# EAGLE board RedBoard-GiantPanel-v21 (EAGLE 6.5.0), part 2 of 4 (continued)
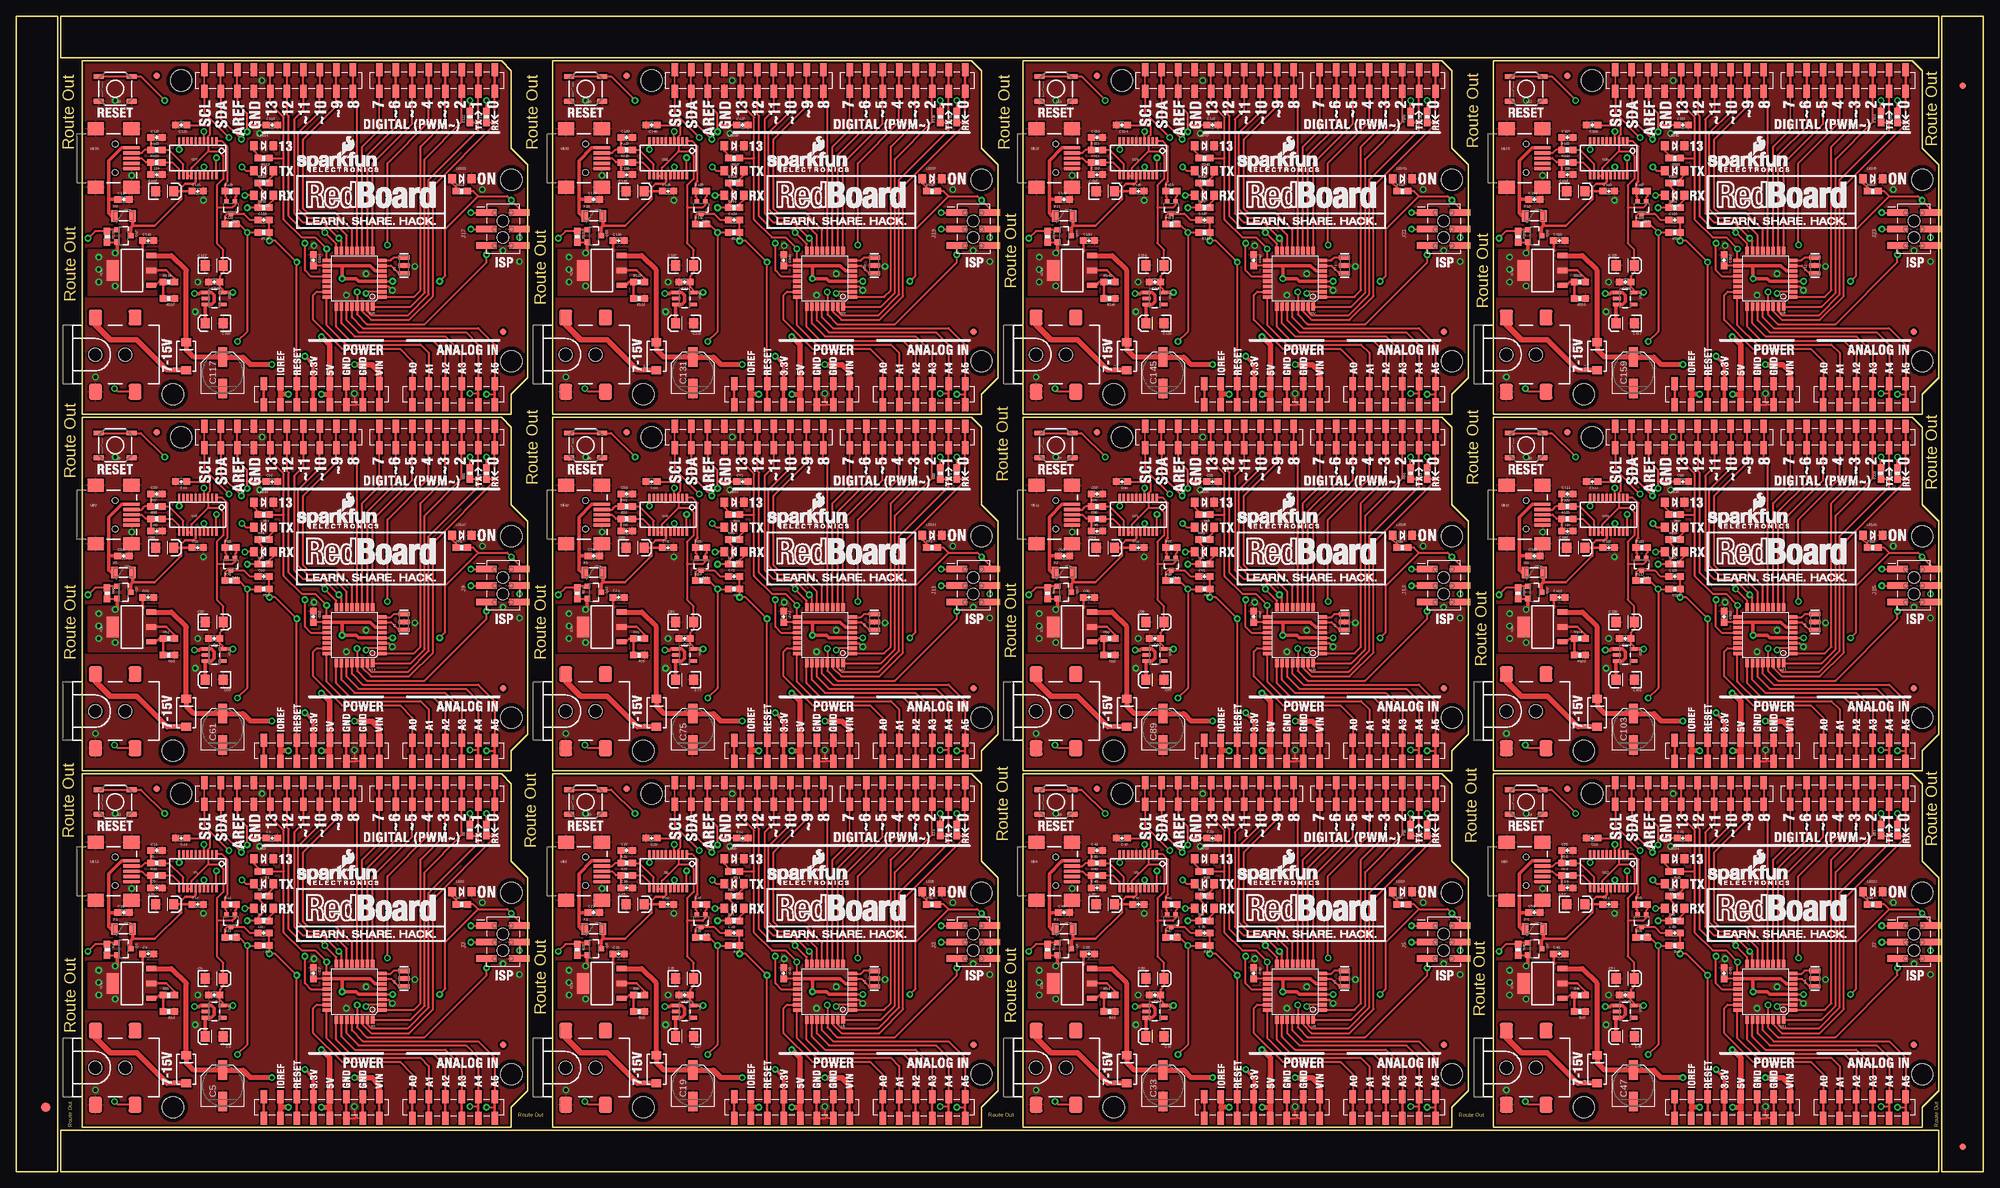
[diagram p0: board, top side]
## Tracks (layer width: path | path; a pad name or v marks a point on that pad's centre or on a via) (continued)
3.3V9  (via drill 0.51)
  Top 0.305: U28.5 104.17,135.73 103.72,136.18 C132.1 103.72,137.76 104.27,138.31 C137.A 104.27,141.86 103.25,142.88 103.25,148.34 | R139.2 106.26,150.07 106.06,149.88 Q20.1 106.06,148.73 105.66,148.34 103.25,148.34 | 101.92,157.04 U30.3 101.92,159.32 102.23,159.64 102.23,160.78 101.98,161.04 C140.1 | U30.13 U30.14 99.38,154.5 101.92,157.04 | 101.92,157.04 103.57,157.04 104.27,156.33 104.27,152.78 103.25,151.76 103.25,148.34
  Top 0.508: JP98.5 118.11,124.21 v116.84,125.48 | U28.5 v105.72,135.32
  Bottom 0.508: v116.84,125.48 108.08,134.24 108.07,134.24 107,135.32 v105.72,135.32
3.3V10  (via drill 0.51)
  Top 0.305: U31.5 176.56,135.73 176.11,136.18 C146.1 176.11,137.76 176.66,138.31 C151.A 176.66,141.86 175.64,142.88 175.64,148.34 | R153.2 178.65,150.07 178.45,149.88 Q22.1 178.45,148.73 178.05,148.34 175.64,148.34 | 174.31,157.04 U33.3 174.31,159.32 174.62,159.64 174.62,160.78 174.37,161.04 C154.1 | U33.13 U33.14 171.77,154.5 174.31,157.04 | 174.31,157.04 175.96,157.04 176.66,156.33 176.66,152.78 175.64,151.76 175.64,148.34
  Top 0.508: JP108.5 190.5,124.21 v189.23,125.48 | U31.5 v178.12,135.32
  Bottom 0.508: v189.23,125.48 180.47,134.24 180.46,134.24 179.38,135.32 v178.12,135.32
3.3V11  (via drill 0.51)
  Top 0.305: U34.5 248.95,135.73 248.5,136.18 C160.1 248.5,137.76 249.05,138.31 C165.A 249.05,141.86 248.03,142.88 248.03,148.34 | R167.2 251.04,150.07 250.84,149.88 Q24.1 250.84,148.73 250.44,148.34 248.03,148.34 | 246.7,157.04 U36.3 246.7,159.32 247.01,159.64 247.01,160.78 246.76,161.04 C168.1 | U36.13 U36.14 244.16,154.5 246.7,157.04 | 246.7,157.04 248.35,157.04 249.05,156.33 249.05,152.78 248.03,151.76 248.03,148.34
  Top 0.508: JP118.5 262.89,124.21 v261.62,125.48 | U34.5 v250.5,135.32
  Bottom 0.508: v261.62,125.48 252.86,134.24 252.85,134.24 251.78,135.32 v250.5,135.32
5V  (via drill 0.51)
  Top 0.305: U3.18 C2.2 | U3.4 v57.93,27.29 | 71.12,40.39 75.56,40.39 v76.2,39.75 77.47,38.48 J2.2 | JP10.4 48.26,9.4 | 71.12,40.39 66.04,35.31 66.04,28.16 v65.17,27.29 | 71.12,40.39 70.36,41.15 R2.2 | v35.56,34.8 35.56,19.56 v34.04,18.03 | v35.56,38.61 R6.1 37.25,39.16 38.1,40.01 38.1,41.15 37.25,42 R7.1 | v35.56,34.8 R3.2 | R4.2 15.48,33.31 Q1.2 | R12.2 34.29,36.07 v35.56,34.8
  Top 0.356: C4.1 19.47,31.92
  Top 0.406: IC3.2 23.11,28.96 24.34,27.73 R15.2 | C3.A 29.21,20.83
  Top 0.508: U3.6 55.24,28.89 54.45,29.69 50.16,29.69 | 50.16,29.69 U3.18 | 50.16,29.69 v50.16,27.69 52.32,27.69 52.72,27.29 U3.4 | C3.A 29.08,23.59 U2.3 30.04,23.69 30.48,24.13 30.48,25.15 30.04,25.59 U2.1 28.38,25.59 28.19,25.4 v27.43,25.4 | Q1.2 15.51,31.91 v15.24,31.64
  Top 0.762: v46.96,18.77 46.96,18.83 48.26,17.53 | v46.99,9.91 48.01,9.91 48.26,10.16 | v41.91,9.91 40.64,9.91 | 40.64,9.91 JP10.7 | 40.64,11.56 40.64,9.91
  Top 0.813: 48.26,17.53 JP10.4 48.26,10.16 48.26,9.4 48.26,8.26
  Bottom 0.305: v57.93,27.29 v65.17,27.29 | v35.56,34.8 v35.56,38.61 | TP1.P$1 v76.2,39.75
  Bottom 0.508: v46.96,18.77 46.96,24.48 v50.16,27.69
  Bottom 0.762: v46.99,9.91 v41.91,9.91 41.91,10.16 v34.04,18.03 27.43,24.64 v27.43,25.4 | v27.43,25.4 21.84,25.4 | 26.67,25.4 v27.43,25.4
  other vias: 12.7,29.09 15.24,26.55 12.7,27.19 12.7,31
  pour Bottom (isolate 0.305, no thermals): 11.05,37.34 20.95,37.34 20.95,27.69 22.86,25.78 22.86,25.15 11.05,25.15
  pour Top (isolate 0.305, no thermals): 11.05,25.15 11.05,32.13 21.59,32.13 21.59,25.15
5V1  (via drill 0.51)
  Top 0.305: U5.18 C16.2 | U5.4 v130.32,27.29 | 143.51,40.39 147.96,40.39 v148.59,39.75 149.86,38.48 J3.2 | JP18.4 120.65,9.4 | 143.51,40.39 138.43,35.31 138.43,28.16 v137.56,27.29 | 143.51,40.39 142.75,41.15 R16.2 | v107.95,34.8 107.95,19.56 v106.43,18.03 | v107.95,38.61 R21.1 109.64,39.16 110.49,40.01 110.49,41.15 109.64,42 R22.1 | v107.95,34.8 R17.2 | R18.2 87.87,33.31 Q3.2 | R28.2 106.68,36.07 v107.95,34.8
  Top 0.356: C18.1 91.86,31.92
  Top 0.406: IC1.2 95.5,28.96 96.73,27.73 R20.2 | C17.A 101.6,20.83
  Top 0.508: U5.6 127.64,28.89 126.83,29.69 122.56,29.69 | 122.56,29.69 U5.18 | 122.56,29.69 v122.56,27.69 124.71,27.69 125.11,27.29 U5.4 | C17.A 101.47,23.59 U4.3 102.43,23.69 102.87,24.13 102.87,25.15 102.43,25.59 U4.1 100.77,25.59 100.58,25.4 v99.82,25.4 | Q3.2 87.9,31.91 v87.63,31.64
  Top 0.762: v119.35,18.77 119.35,18.83 120.65,17.53 | v119.38,9.91 120.4,9.91 120.65,10.16 | v114.3,9.91 113.03,9.91 | 113.03,9.91 JP18.7 | 113.03,11.56 113.03,9.91
  Top 0.813: 120.65,17.53 JP18.4 120.65,10.16 120.65,9.4 120.65,8.26
  Bottom 0.305: v130.32,27.29 v137.56,27.29 | v107.95,34.8 v107.95,38.61 | TP7.P$1 v148.59,39.75
  Bottom 0.508: v119.35,18.77 119.35,24.48 v122.56,27.69
  Bottom 0.762: v119.38,9.91 v114.3,9.91 114.3,10.16 v106.43,18.03 99.82,24.64 v99.82,25.4 | v99.82,25.4 94.23,25.4 | 99.06,25.4 v99.82,25.4
  other vias: 85.09,29.09 87.63,26.55 85.09,27.19 85.09,31
  pour Bottom (isolate 0.305, no thermals): 83.44,37.34 93.34,37.34 93.34,27.69 95.25,25.78 95.25,25.15 83.44,25.15
  pour Top (isolate 0.305, no thermals): 83.44,25.15 83.44,32.13 93.98,32.13 93.98,25.15
5V2  (via drill 0.51)
  Top 0.305: U8.18 C30.2 | U8.4 v202.71,27.29 | 215.9,40.39 220.34,40.39 v220.98,39.75 222.25,38.48 J5.2 | JP28.4 193.04,9.4 | 215.9,40.39 210.82,35.31 210.82,28.16 v209.95,27.29 | 215.9,40.39 215.14,41.15 R30.2 | v180.34,34.8 180.34,19.56 v178.82,18.03 | v180.34,38.61 R35.1 182.03,39.16 182.88,40.01 182.88,41.15 182.03,42 R36.1 | v180.34,34.8 R31.2 | R32.2 160.26,33.31 Q5.2 | R42.2 179.07,36.07 v180.34,34.8
  Top 0.356: C32.1 164.25,31.92
  Top 0.406: IC2.2 167.89,28.96 169.12,27.73 R34.2 | C31.A 173.99,20.83
  Top 0.508: U8.6 200.03,28.89 199.22,29.69 194.94,29.69 | 194.94,29.69 U8.18 | 194.94,29.69 v194.94,27.69 197.1,27.69 197.5,27.29 U8.4 | C31.A 173.86,23.59 U7.3 174.82,23.69 175.26,24.13 175.26,25.15 174.82,25.59 U7.1 173.16,25.59 172.97,25.4 v172.21,25.4 | Q5.2 160.29,31.91 v160.02,31.64
  Top 0.762: v191.74,18.77 191.74,18.83 193.04,17.53 | v191.77,9.91 192.79,9.91 193.04,10.16 | v186.69,9.91 185.42,9.91 | 185.42,9.91 JP28.7 | 185.42,11.56 185.42,9.91
  Top 0.813: 193.04,17.53 JP28.4 193.04,10.16 193.04,9.4 193.04,8.26
  Bottom 0.305: v202.71,27.29 v209.95,27.29 | v180.34,34.8 v180.34,38.61 | TP13.P$1 v220.98,39.75
  Bottom 0.508: v191.74,18.77 191.74,24.48 v194.94,27.69
  Bottom 0.762: v191.77,9.91 v186.69,9.91 186.69,10.16 v178.82,18.03 172.21,24.64 v172.21,25.4 | v172.21,25.4 166.62,25.4 | 171.45,25.4 v172.21,25.4
  other vias: 157.48,29.09 160.02,26.55 157.48,27.19 157.48,31
  pour Bottom (isolate 0.305, no thermals): 155.83,37.34 165.74,37.34 165.74,27.69 167.64,25.78 167.64,25.15 155.83,25.15
  pour Top (isolate 0.305, no thermals): 155.83,25.15 155.83,32.13 166.37,32.13 166.37,25.15
5V3  (via drill 0.51)
  Top 0.305: U11.18 C44.2 | U11.4 v275.1,27.29 | 288.29,40.39 292.74,40.39 v293.37,39.75 294.64,38.48 J7.2 | JP38.4 265.43,9.4 | 288.29,40.39 283.21,35.31 283.21,28.16 v282.34,27.29 | 288.29,40.39 287.53,41.15 R44.2 | v252.73,34.8 252.73,19.56 v251.21,18.03 | v252.73,38.61 R49.1 254.42,39.16 255.27,40.01 255.27,41.15 254.42,42 R50.1 | v252.73,34.8 R45.2 | R46.2 232.65,33.31 Q7.2 | R56.2 251.46,36.07 v252.73,34.8
  Top 0.356: C46.1 236.64,31.92
  Top 0.406: IC4.2 240.28,28.96 241.51,27.73 R48.2 | C45.A 246.38,20.83
  Top 0.508: U11.6 272.42,28.89 271.62,29.69 267.33,29.69 | 267.33,29.69 U11.18 | 267.33,29.69 v267.33,27.69 269.49,27.69 269.89,27.29 U11.4 | C45.A 246.25,23.59 U10.3 247.21,23.69 247.65,24.13 247.65,25.15 247.21,25.59 U10.1 245.55,25.59 245.36,25.4 v244.6,25.4 | Q7.2 232.68,31.91 v232.41,31.64
  Top 0.762: v264.13,18.77 264.13,18.83 265.43,17.53 | v264.16,9.91 265.18,9.91 265.43,10.16 | v259.08,9.91 257.81,9.91 | 257.81,9.91 JP38.7 | 257.81,11.56 257.81,9.91
  Top 0.813: 265.43,17.53 JP38.4 265.43,10.16 265.43,9.4 265.43,8.26
  Bottom 0.305: v275.1,27.29 v282.34,27.29 | v252.73,34.8 v252.73,38.61 | TP19.P$1 v293.37,39.75
  Bottom 0.508: v264.13,18.77 264.13,24.48 v267.33,27.69
  Bottom 0.762: v264.16,9.91 v259.08,9.91 259.08,10.16 v251.21,18.03 244.6,24.64 v244.6,25.4 | v244.6,25.4 239.01,25.4 | 243.84,25.4 v244.6,25.4
  other vias: 229.87,29.09 232.41,26.55 229.87,27.19 229.87,31
  pour Bottom (isolate 0.305, no thermals): 228.22,37.34 238.12,37.34 238.12,27.69 240.03,25.78 240.03,25.15 228.22,25.15
  pour Top (isolate 0.305, no thermals): 228.22,25.15 228.22,32.13 238.76,32.13 238.76,25.15
5V4  (via drill 0.51)
  Top 0.305: U14.18 C58.2 | U14.4 v57.93,82.15 | 71.12,95.25 75.56,95.25 v76.2,94.61 77.47,93.34 J9.2 | JP48.4 48.26,64.26 | 71.12,95.25 66.04,90.17 66.04,83.02 v65.17,82.15 | 71.12,95.25 70.36,96.01 R58.2 | v35.56,89.66 35.56,74.42 v34.04,72.9 | v35.56,93.47 R63.1 37.25,94.02 38.1,94.87 38.1,96.01 37.25,96.86 R64.1 | v35.56,89.66 R59.2 | R60.2 15.48,88.18 Q9.2 | R70.2 34.29,90.93 v35.56,89.66
  Top 0.356: C60.1 19.47,86.78
  Top 0.406: IC5.2 23.11,83.82 24.34,82.59 R62.2 | C59.A 29.21,75.69
  Top 0.508: U14.6 55.24,83.75 54.45,84.55 50.16,84.55 | 50.16,84.55 U14.18 | 50.16,84.55 v50.16,82.55 52.32,82.55 52.72,82.15 U14.4 | C59.A 29.08,78.45 U13.3 30.04,78.55 30.48,78.99 30.48,80.01 30.04,80.45 U13.1 28.38,80.45 28.19,80.26 v27.43,80.26 | Q9.2 15.51,86.77 v15.24,86.5
  Top 0.762: v46.96,73.63 46.96,73.69 48.26,72.39 | v46.99,64.77 48.01,64.77 48.26,65.02 | v41.91,64.77 40.64,64.77 | 40.64,64.77 JP48.7 | 40.64,66.42 40.64,64.77
  Top 0.813: 48.26,72.39 JP48.4 48.26,65.02 48.26,64.26 48.26,63.12
  Bottom 0.305: v57.93,82.15 v65.17,82.15 | v35.56,89.66 v35.56,93.47 | TP25.P$1 v76.2,94.61
  Bottom 0.508: v46.96,73.63 46.96,79.34 v50.16,82.55
  Bottom 0.762: v46.99,64.77 v41.91,64.77 41.91,65.02 v34.04,72.9 27.43,79.5 v27.43,80.26 | v27.43,80.26 21.84,80.26 | 26.67,80.26 v27.43,80.26
  other vias: 12.7,83.96 15.24,81.42 12.7,82.05 12.7,85.86
  pour Bottom (isolate 0.305, no thermals): 11.05,92.2 20.95,92.2 20.95,82.55 22.86,80.64 22.86,80.01 11.05,80.01
  pour Top (isolate 0.305, no thermals): 11.05,80.01 11.05,87 21.59,87 21.59,80.01
5V5  (via drill 0.51)
  Top 0.305: U17.18 C72.2 | U17.4 v130.32,82.15 | 143.51,95.25 147.96,95.25 v148.59,94.61 149.86,93.34 J11.2 | JP58.4 120.65,64.26 | 143.51,95.25 138.43,90.17 138.43,83.02 v137.56,82.15 | 143.51,95.25 142.75,96.01 R72.2 | v107.95,89.66 107.95,74.42 v106.43,72.9 | v107.95,93.47 R77.1 109.64,94.02 110.49,94.87 110.49,96.01 109.64,96.86 R78.1 | v107.95,89.66 R73.2 | R74.2 87.87,88.18 Q11.2 | R84.2 106.68,90.93 v107.95,89.66
  Top 0.356: C74.1 91.86,86.78
  Top 0.406: IC6.2 95.5,83.82 96.73,82.59 R76.2 | C73.A 101.6,75.69
  Top 0.508: U17.6 127.64,83.75 126.83,84.55 122.56,84.55 | 122.56,84.55 U17.18 | 122.56,84.55 v122.56,82.55 124.71,82.55 125.11,82.15 U17.4 | C73.A 101.47,78.45 U16.3 102.43,78.55 102.87,78.99 102.87,80.01 102.43,80.45 U16.1 100.77,80.45 100.58,80.26 v99.82,80.26 | Q11.2 87.9,86.77 v87.63,86.5
  Top 0.762: v119.35,73.63 119.35,73.69 120.65,72.39 | v119.38,64.77 120.4,64.77 120.65,65.02 | v114.3,64.77 113.03,64.77 | 113.03,64.77 JP58.7 | 113.03,66.42 113.03,64.77
  Top 0.813: 120.65,72.39 JP58.4 120.65,65.02 120.65,64.26 120.65,63.12
  Bottom 0.305: v130.32,82.15 v137.56,82.15 | v107.95,89.66 v107.95,93.47 | TP31.P$1 v148.59,94.61
  Bottom 0.508: v119.35,73.63 119.35,79.34 v122.56,82.55
  Bottom 0.762: v119.38,64.77 v114.3,64.77 114.3,65.02 v106.43,72.9 99.82,79.5 v99.82,80.26 | v99.82,80.26 94.23,80.26 | 99.06,80.26 v99.82,80.26
  other vias: 85.09,83.96 87.63,81.42 85.09,82.05 85.09,85.86
  pour Bottom (isolate 0.305, no thermals): 83.44,92.2 93.34,92.2 93.34,82.55 95.25,80.64 95.25,80.01 83.44,80.01
  pour Top (isolate 0.305, no thermals): 83.44,80.01 83.44,87 93.98,87 93.98,80.01
5V6  (via drill 0.51)
  Top 0.305: U20.18 C86.2 | U20.4 v202.71,82.15 | 215.9,95.25 220.34,95.25 v220.98,94.61 222.25,93.34 J13.2 | JP68.4 193.04,64.26 | 215.9,95.25 210.82,90.17 210.82,83.02 v209.95,82.15 | 215.9,95.25 215.14,96.01 R86.2 | v180.34,89.66 180.34,74.42 v178.82,72.9 | v180.34,93.47 R91.1 182.03,94.02 182.88,94.87 182.88,96.01 182.03,96.86 R92.1 | v180.34,89.66 R87.2 | R88.2 160.26,88.18 Q13.2 | R98.2 179.07,90.93 v180.34,89.66
  Top 0.356: C88.1 164.25,86.78
  Top 0.406: IC7.2 167.89,83.82 169.12,82.59 R90.2 | C87.A 173.99,75.69
  Top 0.508: U20.6 200.03,83.75 199.22,84.55 194.94,84.55 | 194.94,84.55 U20.18 | 194.94,84.55 v194.94,82.55 197.1,82.55 197.5,82.15 U20.4 | C87.A 173.86,78.45 U19.3 174.82,78.55 175.26,78.99 175.26,80.01 174.82,80.45 U19.1 173.16,80.45 172.97,80.26 v172.21,80.26 | Q13.2 160.29,86.77 v160.02,86.5
  Top 0.762: v191.74,73.63 191.74,73.69 193.04,72.39 | v191.77,64.77 192.79,64.77 193.04,65.02 | v186.69,64.77 185.42,64.77 | 185.42,64.77 JP68.7 | 185.42,66.42 185.42,64.77
  Top 0.813: 193.04,72.39 JP68.4 193.04,65.02 193.04,64.26 193.04,63.12
  Bottom 0.305: v202.71,82.15 v209.95,82.15 | v180.34,89.66 v180.34,93.47 | TP37.P$1 v220.98,94.61
  Bottom 0.508: v191.74,73.63 191.74,79.34 v194.94,82.55
  Bottom 0.762: v191.77,64.77 v186.69,64.77 186.69,65.02 v178.82,72.9 172.21,79.5 v172.21,80.26 | v172.21,80.26 166.62,80.26 | 171.45,80.26 v172.21,80.26
  other vias: 157.48,83.96 160.02,81.42 157.48,82.05 157.48,85.86
  pour Bottom (isolate 0.305, no thermals): 155.83,92.2 165.74,92.2 165.74,82.55 167.64,80.64 167.64,80.01 155.83,80.01
  pour Top (isolate 0.305, no thermals): 155.83,80.01 155.83,87 166.37,87 166.37,80.01
5V7  (via drill 0.51)
  Top 0.305: U23.18 C100.2 | U23.4 v275.1,82.15 | 288.29,95.25 292.74,95.25 v293.37,94.61 294.64,93.34 J15.2 | JP78.4 265.43,64.26 | 288.29,95.25 283.21,90.17 283.21,83.02 v282.34,82.15 | 288.29,95.25 287.53,96.01 R100.2 | v252.73,89.66 252.73,74.42 v251.21,72.9 | v252.73,93.47 R105.1 254.42,94.02 255.27,94.87 255.27,96.01 254.42,96.86 R106.1 | v252.73,89.66 R101.2 | R102.2 232.65,88.18 Q15.2 | R112.2 251.46,90.93 v252.73,89.66
  Top 0.356: C102.1 236.64,86.78
  Top 0.406: IC8.2 240.28,83.82 241.51,82.59 R104.2 | C101.A 246.38,75.69
  Top 0.508: U23.6 272.42,83.75 271.62,84.55 267.33,84.55 | 267.33,84.55 U23.18 | 267.33,84.55 v267.33,82.55 269.49,82.55 269.89,82.15 U23.4 | C101.A 246.25,78.45 U22.3 247.21,78.55 247.65,78.99 247.65,80.01 247.21,80.45 U22.1 245.55,80.45 245.36,80.26 v244.6,80.26 | Q15.2 232.68,86.77 v232.41,86.5
  Top 0.762: v264.13,73.63 264.13,73.69 265.43,72.39 | v264.16,64.77 265.18,64.77 265.43,65.02 | v259.08,64.77 257.81,64.77 | 257.81,64.77 JP78.7 | 257.81,66.42 257.81,64.77
  Top 0.813: 265.43,72.39 JP78.4 265.43,65.02 265.43,64.26 265.43,63.12
  Bottom 0.305: v275.1,82.15 v282.34,82.15 | v252.73,89.66 v252.73,93.47 | TP43.P$1 v293.37,94.61
  Bottom 0.508: v264.13,73.63 264.13,79.34 v267.33,82.55
  Bottom 0.762: v264.16,64.77 v259.08,64.77 259.08,65.02 v251.21,72.9 244.6,79.5 v244.6,80.26 | v244.6,80.26 239.01,80.26 | 243.84,80.26 v244.6,80.26
  other vias: 229.87,83.96 232.41,81.42 229.87,82.05 229.87,85.86
  pour Bottom (isolate 0.305, no thermals): 228.22,92.2 238.12,92.2 238.12,82.55 240.03,80.64 240.03,80.01 228.22,80.01
  pour Top (isolate 0.305, no thermals): 228.22,80.01 228.22,87 238.76,87 238.76,80.01
5V8  (via drill 0.51)
  Top 0.305: U26.18 C114.2 | U26.4 v57.93,137.01 | 71.12,150.11 75.56,150.11 v76.2,149.48 77.47,148.21 J17.2 | JP88.4 48.26,119.13 | 71.12,150.11 66.04,145.03 66.04,137.88 v65.17,137.01 | 71.12,150.11 70.36,150.88 R114.2 | v35.56,144.53 35.56,129.29 v34.04,127.76 | v35.56,148.34 R119.1 37.25,148.88 38.1,149.73 38.1,150.88 37.25,151.73 R120.1 | v35.56,144.53 R115.2 | R116.2 15.48,143.04 Q17.2 | R126.2 34.29,145.8 v35.56,144.53
  Top 0.356: C116.1 19.47,141.64
  Top 0.406: IC9.2 23.11,138.68 24.34,137.45 R118.2 | C115.A 29.21,130.56
  Top 0.508: U26.6 55.24,138.61 54.45,139.41 50.16,139.41 | 50.16,139.41 U26.18 | 50.16,139.41 v50.16,137.41 52.32,137.41 52.72,137.01 U26.4 | C115.A 29.08,133.32 U25.3 30.04,133.42 30.48,133.86 30.48,134.87 30.04,135.32 U25.1 28.38,135.32 28.19,135.13 v27.43,135.13 | Q17.2 15.51,141.63 v15.24,141.36
  Top 0.762: v46.96,128.49 46.96,128.55 48.26,127.25 | v46.99,119.63 48.01,119.63 48.26,119.89 | v41.91,119.63 40.64,119.63 | 40.64,119.63 JP88.7 | 40.64,121.28 40.64,119.63
  Top 0.813: 48.26,127.25 JP88.4 48.26,119.89 48.26,119.13 48.26,117.98
  Bottom 0.305: v57.93,137.01 v65.17,137.01 | v35.56,144.53 v35.56,148.34 | TP49.P$1 v76.2,149.48
  Bottom 0.508: v46.96,128.49 46.96,134.21 v50.16,137.41
  Bottom 0.762: v46.99,119.63 v41.91,119.63 41.91,119.89 v34.04,127.76 27.43,134.37 v27.43,135.13 | v27.43,135.13 21.84,135.13 | 26.67,135.13 v27.43,135.13
  other vias: 12.7,138.82 15.24,136.28 12.7,136.92 12.7,140.73
  pour Bottom (isolate 0.305, no thermals): 11.05,147.07 20.95,147.07 20.95,137.41 22.86,135.51 22.86,134.87 11.05,134.87
  pour Top (isolate 0.305, no thermals): 11.05,134.87 11.05,141.86 21.59,141.86 21.59,134.87
5V9  (via drill 0.51)
  Top 0.305: U29.18 C128.2 | U29.4 v130.32,137.01 | 143.51,150.11 147.96,150.11 v148.59,149.48 149.86,148.21 J19.2 | JP98.4 120.65,119.13 | 143.51,150.11 138.43,145.03 138.43,137.88 v137.56,137.01 | 143.51,150.11 142.75,150.88 R128.2 | v107.95,144.53 107.95,129.29 v106.43,127.76 | v107.95,148.34 R133.1 109.64,148.88 110.49,149.73 110.49,150.88 109.64,151.73 R134.1 | v107.95,144.53 R129.2 | R130.2 87.87,143.04 Q19.2 | R140.2 106.68,145.8 v107.95,144.53
  Top 0.356: C130.1 91.86,141.64
  Top 0.406: IC10.2 95.5,138.68 96.73,137.45 R132.2 | C129.A 101.6,130.56
  Top 0.508: U29.6 127.64,138.61 126.83,139.41 122.56,139.41 | 122.56,139.41 U29.18 | 122.56,139.41 v122.56,137.41 124.71,137.41 125.11,137.01 U29.4 | C129.A 101.47,133.32 U28.3 102.43,133.42 102.87,133.86 102.87,134.87 102.43,135.32 U28.1 100.77,135.32 100.58,135.13 v99.82,135.13 | Q19.2 87.9,141.63 v87.63,141.36
  Top 0.762: v119.35,128.49 119.35,128.55 120.65,127.25 | v119.38,119.63 120.4,119.63 120.65,119.89 | v114.3,119.63 113.03,119.63 | 113.03,119.63 JP98.7 | 113.03,121.28 113.03,119.63
  Top 0.813: 120.65,127.25 JP98.4 120.65,119.89 120.65,119.13 120.65,117.98
  Bottom 0.305: v130.32,137.01 v137.56,137.01 | v107.95,144.53 v107.95,148.34 | TP55.P$1 v148.59,149.48
  Bottom 0.508: v119.35,128.49 119.35,134.21 v122.56,137.41
  Bottom 0.762: v119.38,119.63 v114.3,119.63 114.3,119.89 v106.43,127.76 99.82,134.37 v99.82,135.13 | v99.82,135.13 94.23,135.13 | 99.06,135.13 v99.82,135.13
  other vias: 85.09,138.82 87.63,136.28 85.09,136.92 85.09,140.73
  pour Bottom (isolate 0.305, no thermals): 83.44,147.07 93.34,147.07 93.34,137.41 95.25,135.51 95.25,134.87 83.44,134.87
  pour Top (isolate 0.305, no thermals): 83.44,134.87 83.44,141.86 93.98,141.86 93.98,134.87
5V10  (via drill 0.51)
  Top 0.305: U32.18 C142.2 | U32.4 v202.71,137.01 | 215.9,150.11 220.34,150.11 v220.98,149.48 222.25,148.21 J21.2 | JP108.4 193.04,119.13 | 215.9,150.11 210.82,145.03 210.82,137.88 v209.95,137.01 | 215.9,150.11 215.14,150.88 R142.2 | v180.34,144.53 180.34,129.29 v178.82,127.76 | v180.34,148.34 R147.1 182.03,148.88 182.88,149.73 182.88,150.88 182.03,151.73 R148.1 | v180.34,144.53 R143.2 | R144.2 160.26,143.04 Q21.2 | R154.2 179.07,145.8 v180.34,144.53
  Top 0.356: C144.1 164.25,141.64
  Top 0.406: IC11.2 167.89,138.68 169.12,137.45 R146.2 | C143.A 173.99,130.56
  Top 0.508: U32.6 200.03,138.61 199.22,139.41 194.94,139.41 | 194.94,139.41 U32.18 | 194.94,139.41 v194.94,137.41 197.1,137.41 197.5,137.01 U32.4 | C143.A 173.86,133.32 U31.3 174.82,133.42 175.26,133.86 175.26,134.87 174.82,135.32 U31.1 173.16,135.32 172.97,135.13 v172.21,135.13 | Q21.2 160.29,141.63 v160.02,141.36
  Top 0.762: v191.74,128.49 191.74,128.55 193.04,127.25 | v191.77,119.63 192.79,119.63 193.04,119.89 | v186.69,119.63 185.42,119.63 | 185.42,119.63 JP108.7 | 185.42,121.28 185.42,119.63
  Top 0.813: 193.04,127.25 JP108.4 193.04,119.89 193.04,119.13 193.04,117.98
  Bottom 0.305: v202.71,137.01 v209.95,137.01 | v180.34,144.53 v180.34,148.34 | TP61.P$1 v220.98,149.48
  Bottom 0.508: v191.74,128.49 191.74,134.21 v194.94,137.41
  Bottom 0.762: v191.77,119.63 v186.69,119.63 186.69,119.89 v178.82,127.76 172.21,134.37 v172.21,135.13 | v172.21,135.13 166.62,135.13 | 171.45,135.13 v172.21,135.13
  other vias: 157.48,138.82 160.02,136.28 157.48,136.92 157.48,140.73
  pour Bottom (isolate 0.305, no thermals): 155.83,147.07 165.74,147.07 165.74,137.41 167.64,135.51 167.64,134.87 155.83,134.87
  pour Top (isolate 0.305, no thermals): 155.83,134.87 155.83,141.86 166.37,141.86 166.37,134.87
5V11  (via drill 0.51)
  Top 0.305: U35.18 C156.2 | U35.4 v275.1,137.01 | 288.29,150.11 292.74,150.11 v293.37,149.48 294.64,148.21 J23.2 | JP118.4 265.43,119.13 | 288.29,150.11 283.21,145.03 283.21,137.88 v282.34,137.01 | 288.29,150.11 287.53,150.88 R156.2 | v252.73,144.53 252.73,129.29 v251.21,127.76 | v252.73,148.34 R161.1 254.42,148.88 255.27,149.73 255.27,150.88 254.42,151.73 R162.1 | v252.73,144.53 R157.2 | R158.2 232.65,143.04 Q23.2 | R168.2 251.46,145.8 v252.73,144.53
  Top 0.356: C158.1 236.64,141.64
  Top 0.406: IC12.2 240.28,138.68 241.51,137.45 R160.2 | C157.A 246.38,130.56
  Top 0.508: U35.6 272.42,138.61 271.62,139.41 267.33,139.41 | 267.33,139.41 U35.18 | 267.33,139.41 v267.33,137.41 269.49,137.41 269.89,137.01 U35.4 | C157.A 246.25,133.32 U34.3 247.21,133.42 247.65,133.86 247.65,134.87 247.21,135.32 U34.1 245.55,135.32 245.36,135.13 v244.6,135.13 | Q23.2 232.68,141.63 v232.41,141.36
  Top 0.762: v264.13,128.49 264.13,128.55 265.43,127.25 | v264.16,119.63 265.18,119.63 265.43,119.89 | v259.08,119.63 257.81,119.63 | 257.81,119.63 JP118.7 | 257.81,121.28 257.81,119.63
  Top 0.813: 265.43,127.25 JP118.4 265.43,119.89 265.43,119.13 265.43,117.98
  Bottom 0.305: v275.1,137.01 v282.34,137.01 | v252.73,144.53 v252.73,148.34 | TP67.P$1 v293.37,149.48
  Bottom 0.508: v264.13,128.49 264.13,134.21 v267.33,137.41
  Bottom 0.762: v264.16,119.63 v259.08,119.63 259.08,119.89 v251.21,127.76 244.6,134.37 v244.6,135.13 | v244.6,135.13 239.01,135.13 | 243.84,135.13 v244.6,135.13
  other vias: 229.87,138.82 232.41,136.28 229.87,136.92 229.87,140.73
  pour Bottom (isolate 0.305, no thermals): 228.22,147.07 238.12,147.07 238.12,137.41 240.03,135.51 240.03,134.87 228.22,134.87
  pour Top (isolate 0.305, no thermals): 228.22,134.87 228.22,141.86 238.76,141.86 238.76,134.87
AD0
  Top 0.305: U3.23 46.26,25.69 45.72,25.15 45.72,21.34 50.16,16.89 59.05,16.89 60.96,14.99 AD.1
AD1
  Top 0.305: U3.24 47.78,20.55 50.8,17.53 62.23,17.53 63.5,16.26 AD.2
AD2
  Top 0.305: U3.25 49.27,20.33 51.44,18.16 64.14,18.16 66.04,16.26 AD.3
AD3
  Top 0.305: U3.26 50.07,20.8 52.07,18.8 66.04,18.8 68.58,16.26 AD.4
AD4
  Top 0.305: U5.23 118.65,25.69 118.11,25.15 118.11,21.34 122.56,16.89 131.44,16.89 133.35,14.99 AD1.1
AD4/SDA  (via drill 0.51)
  Top 0.305: U3.27 50.87,21.27 52.7,19.43 69.22,19.43 71.12,17.53 71.12,10.03 | 71.12,10.03 AD.5 | v34.67,49.15 31.5,52.32 JP2.2B JP2.2A | v69.85,10.03 71.12,10.03
  Bottom 0.305: v69.85,10.03 62.87,17.02 46.99,17.02 45.97,18.03 45.97,25.65 42.16,29.46 42.16,41.66 v34.67,49.15
AD4/SDA1  (via drill 0.51)
  Top 0.305: U5.27 123.26,21.27 125.09,19.43 141.6,19.43 143.51,17.53 143.51,10.03 | 143.51,10.03 AD1.5 | v107.06,49.15 103.89,52.32 JP17.2B JP17.2A | v142.24,10.03 143.51,10.03
  Bottom 0.305: v142.24,10.03 135.25,17.02 119.38,17.02 118.36,18.03 118.36,25.65 114.55,29.46 114.55,41.66 v107.06,49.15
AD4/SDA2  (via drill 0.51)
  Top 0.305: U8.27 195.65,21.27 197.49,19.43 214,19.43 215.9,17.53 215.9,10.03 | 215.9,10.03 AD2.5 | v179.45,49.15 176.28,52.32 JP27.2B JP27.2A | v214.63,10.03 215.9,10.03
  Bottom 0.305: v214.63,10.03 207.65,17.02 191.77,17.02 190.75,18.03 190.75,25.65 186.94,29.46 186.94,41.66 v179.45,49.15
AD4/SDA3  (via drill 0.51)
  Top 0.305: U11.27 268.04,21.27 269.88,19.43 286.38,19.43 288.29,17.53 288.29,10.03 | 288.29,10.03 AD3.5 | v251.84,49.15 248.67,52.32 JP37.2B JP37.2A | v287.02,10.03 288.29,10.03
  Bottom 0.305: v287.02,10.03 280.04,17.02 264.16,17.02 263.14,18.03 263.14,25.65 259.33,29.46 259.33,41.66 v251.84,49.15
AD4/SDA4  (via drill 0.51)
  Top 0.305: U14.27 50.87,76.13 52.7,74.3 69.22,74.3 71.12,72.39 71.12,64.9 | 71.12,64.9 AD4.5 | v34.67,104.01 31.5,107.19 JP47.2B JP47.2A | v69.85,64.9 71.12,64.9
  Bottom 0.305: v69.85,64.9 62.87,71.88 46.99,71.88 45.97,72.9 45.97,80.52 42.16,84.33 42.16,96.52 v34.67,104.01
AD4/SDA5  (via drill 0.51)
  Top 0.305: U17.27 123.26,76.13 125.09,74.3 141.6,74.3 143.51,72.39 143.51,64.9 | 143.51,64.9 AD5.5 | v107.06,104.01 103.89,107.19 JP57.2B JP57.2A | v142.24,64.9 143.51,64.9
  Bottom 0.305: v142.24,64.9 135.25,71.88 119.38,71.88 118.36,72.9 118.36,80.52 114.55,84.33 114.55,96.52 v107.06,104.01
AD4/SDA6  (via drill 0.51)
  Top 0.305: U20.27 195.65,76.13 197.49,74.3 214,74.3 215.9,72.39 215.9,64.9 | 215.9,64.9 AD6.5 | v179.45,104.01 176.28,107.19 JP67.2B JP67.2A | v214.63,64.9 215.9,64.9
  Bottom 0.305: v214.63,64.9 207.65,71.88 191.77,71.88 190.75,72.9 190.75,80.52 186.94,84.33 186.94,96.52 v179.45,104.01
AD4/SDA7  (via drill 0.51)
  Top 0.305: U23.27 268.04,76.13 269.88,74.3 286.38,74.3 288.29,72.39 288.29,64.9 | 288.29,64.9 AD7.5 | v251.84,104.01 248.67,107.19 JP77.2B JP77.2A | v287.02,64.9 288.29,64.9